# Altium PCB AATB-V2.1.PcbDoc (part 3 of 5)
Units mm, origin at the board's own origin, x right, y up, seen from the top; angles counter-clockwise.
Board outline 236 x 177 mm, 2 copper layers (Top Layer, Bottom Layer), stack 1.571 mm thick; 302 components, 313 nets, 1275 pads, 1275 vias.
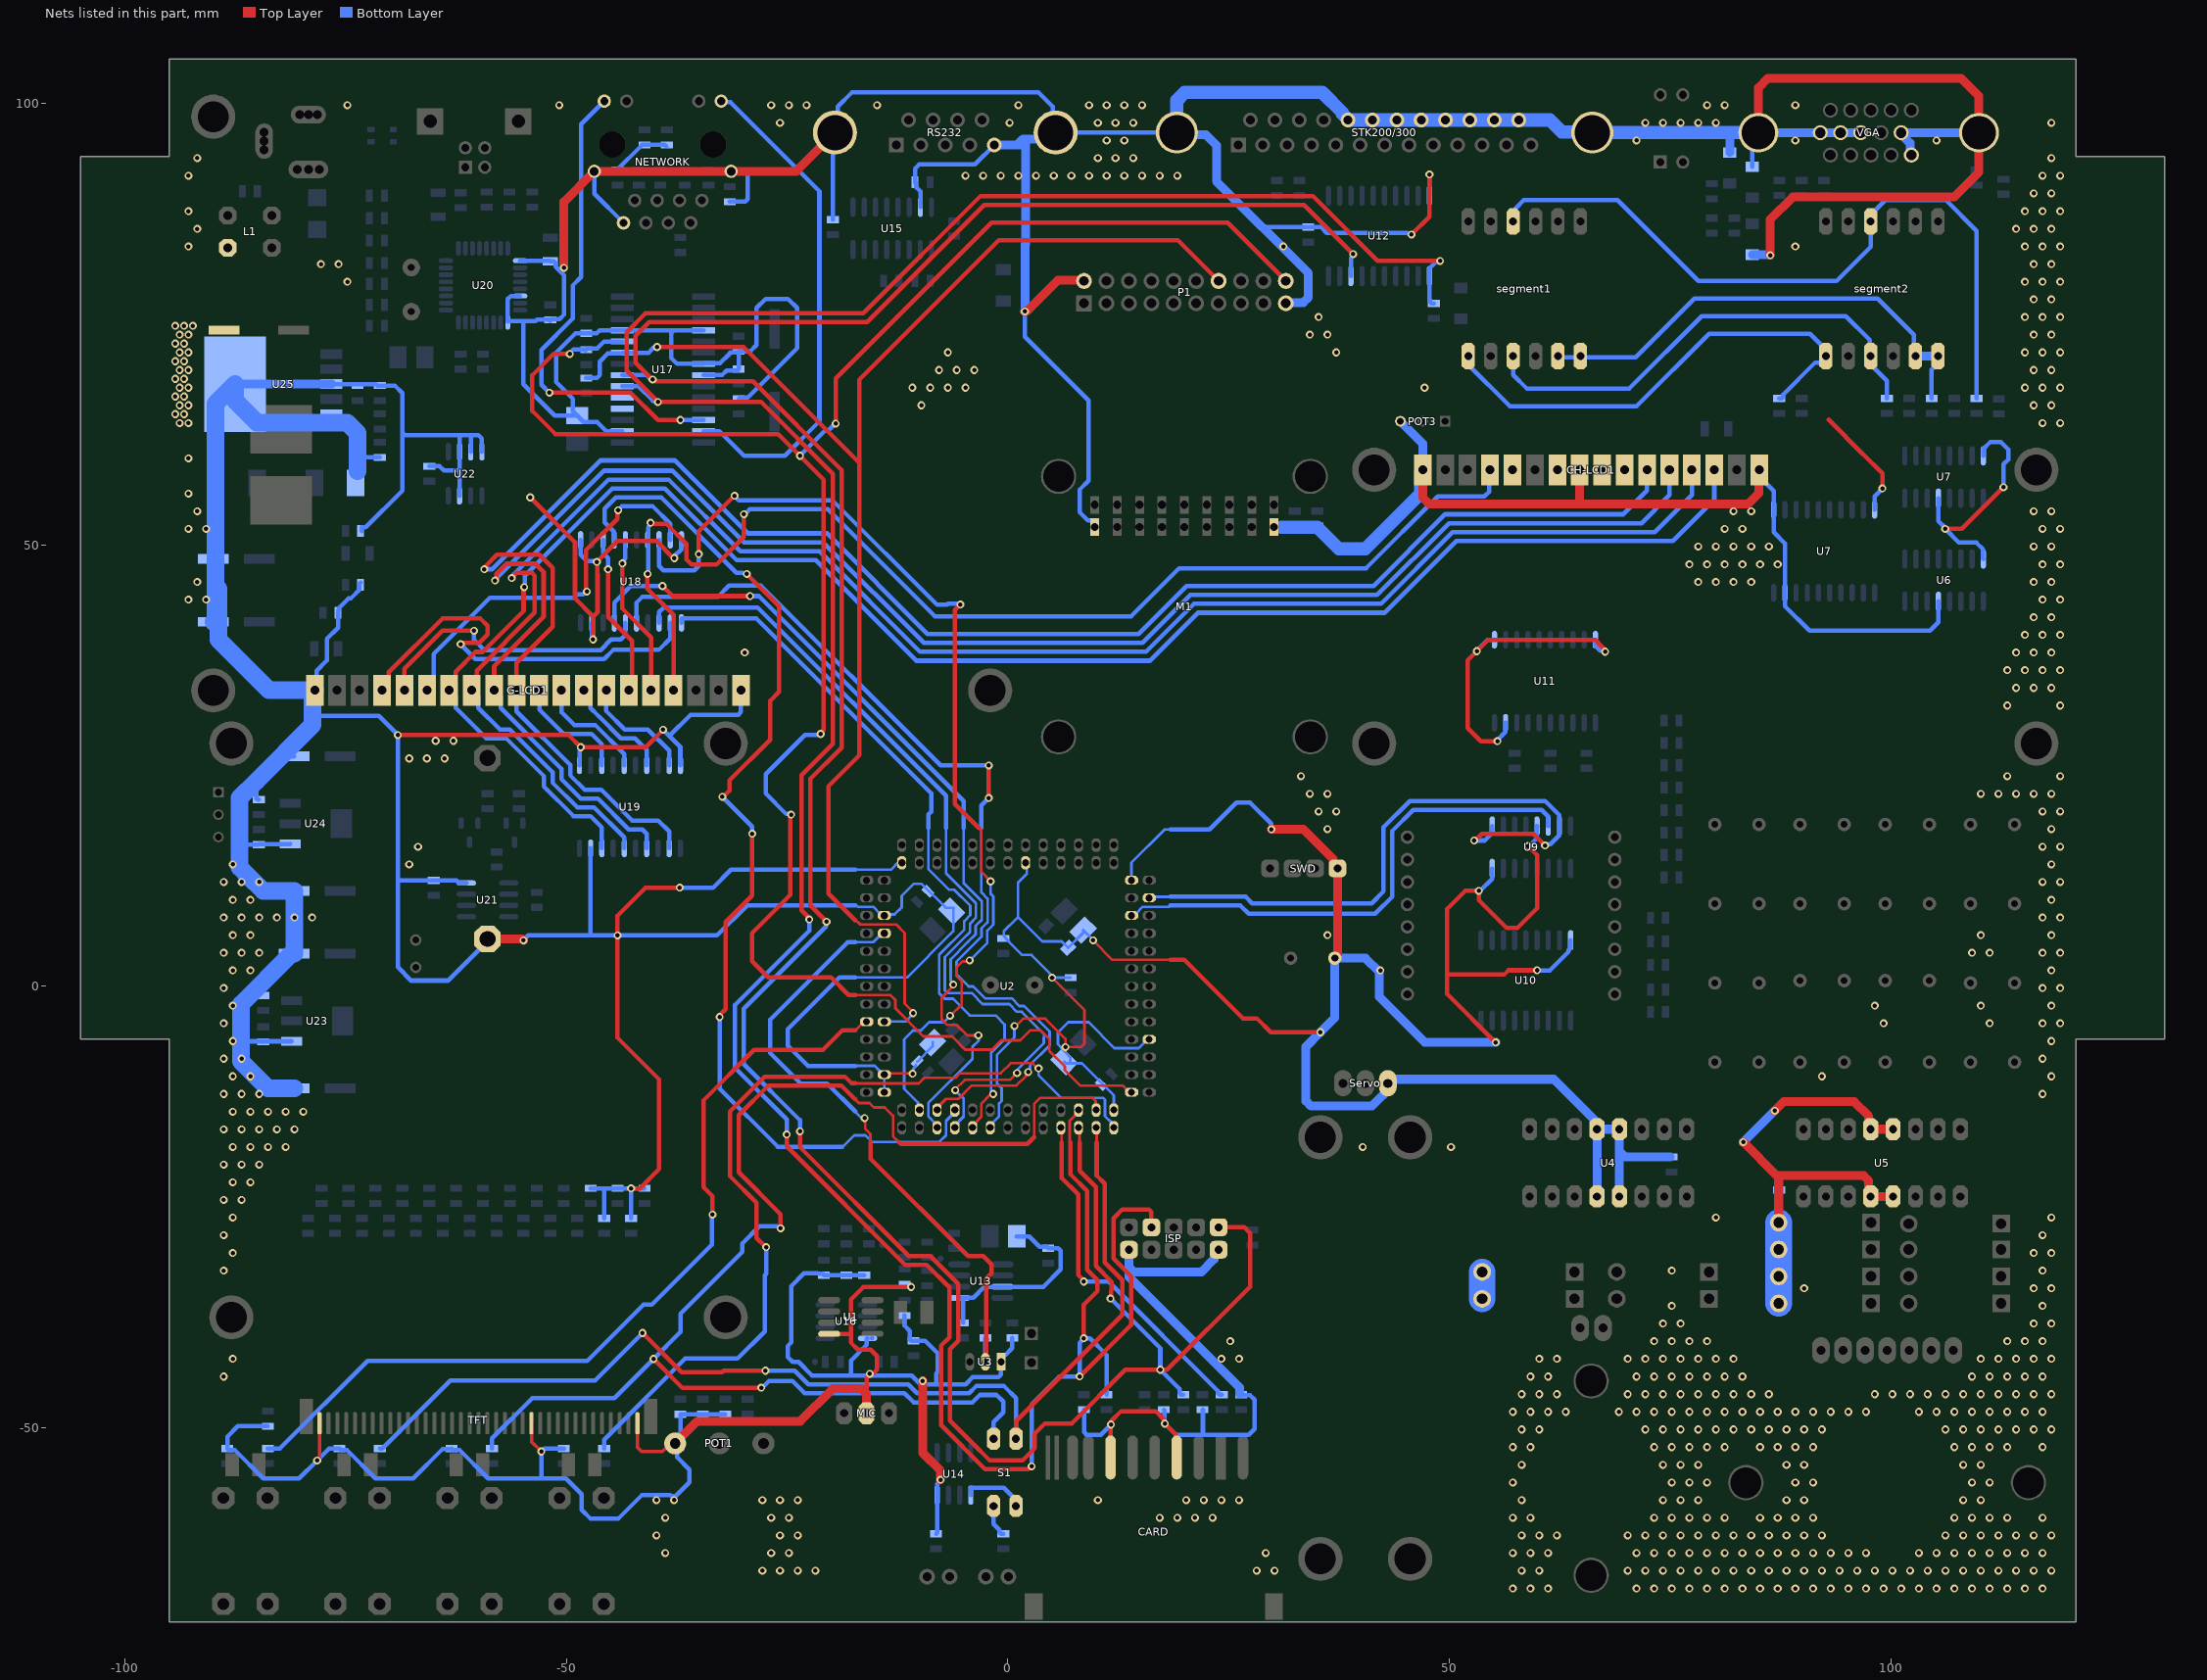
[diagram p3: the nets of this part, all layers, seen from the top]

## Via types
v1: diameter 0.9, hole 0.5, Top Layer to Bottom Layer, tented both sides, 1275 vias

## Nets (pads, with @x,y where several pads share a name; then routed paths per layer and width w, separated by ;. In a path a pad name is that pad's centre, name@x,y a point inside that pad or via, vN(x,y) a via of type N, cw(c..) or ccw(c..) an arc to the next point about the centre after c; other vN are vias at no path point) (continued)
DM-CLK: U2.47 U9.14 | length 58.1
  Bottom Layer w0.3: U2.47@14.504,8.136 14.504,8.211 15.293,9 18.296,9 18.432,9.136
  Bottom Layer w0.5: 18.432,9.136 26.344,9.136 27.271,8.209 41.597,8.209 43.561,10.173 43.561,17.614 45.943,19.996 60.456,19.996 U9.14@61.251,19.2 ; U9.14@61.158,19.106 61.191,19.073 61.191,18.163 U9.14@61.21,18.144
DM-RST: U2.48 U9.9 U9.15 | length 72.4
  Top Layer w0.5: v1(52.823,16.514) 52.932,16.514 53.687,17.269 59.534,17.269 v1(60.848,15.955)
  Bottom Layer w0.3: U2.48@16.504,10.136 18.432,10.136
  Bottom Layer w0.5: 18.432,10.136 26.948,10.136 27.69,9.394 41.2,9.394 42.561,10.755 42.561,18.029 45.528,20.996 60.87,20.996 62.461,19.405 U9.15@62.461,18.144 ; v1(52.823,16.514) 54.03,16.514 54.86,17.344 U9.9@54.86,18.144 ; v1(60.848,15.955) 60.956,15.955 61.103,16.103 61.454,16.103 62.461,17.11 62.461,18.125 U9.15@62.48,18.144
DOT: R36.1@99.568,66.576 segment1.2 segment2.2 | length 55.6
  Bottom Layer w0.5: segment1.2@57.23,71.901 57.23,69.262 58.776,67.716 70.404,67.716 78.596,75.908 94.912,75.908 97.617,73.203 97.617,70.531 99.564,68.584 R36.1@99.564,66.576
E: R14.2 segment1.0 segment2.0 | length 57
  Bottom Layer w0.5: segment1.0@51.65,72.348 52.15,71.848 52.15,70.41 56.844,65.716 71.233,65.716 79.425,73.908 90.872,73.908 92.65,72.13 92.65,71.149 92.15,70.649 91.445,70.649 87.797,67.001 87.797,66.726 87.647,66.576 R14.2@87.372,66.576
ETH-CS: P1.14 R70.1 U2.93 U17.9 | length 171.2
  Top Layer w0.3: -17.276,7.461 -17.168,7.461 -16.707,7 -12.653,7 -11.684,6.031 -11.684,-1.952 -10.729,-2.907 v1(-10.729,-3.048)
  Top Layer w0.5: v1(-39.735,72.411) -29.936,72.411 -16.816,59.291 ; -17.276,7.461 -20.324,10.509 -20.324,22.667 -16.816,26.175 -16.816,59.291 ; P1.14@23.872,79.892 19.268,84.496 -1.029,84.496 -16.816,68.709 -16.816,59.291
  Bottom Layer w0.3: U2.93@-14,-4 -11.584,-4 -10.729,-3.145 v1(-10.729,-3.048)
  Bottom Layer w0.5: R70.1@-47.756,68.892 -46.564,68.892 -46.232,69.224 -46.232,70.748 -45.316,71.664 -43.792,71.664 U17.9@-43.692,71.764 -40.684,71.764 -40.114,72.334 -39.812,72.334 v1(-39.735,72.411)
ETH-RST: P1.20 R71.1 U2.27 U17.10 | length 238
  Top Layer w0.3: -17.276,-1 -13.293,-1 -12.75,-1.543 -12.75,-2.49 -9.557,-5.683 -6.315,-5.683 -4.834,-7.164 -1.8,-7.164 -0.747,-6.111 1.41,-6.111 2.553,-4.968 3.698,-4.968 4.699,-5.969 4.699,-7.315 6.448,-9.064 6.448,-9.488 8.196,-11.237 12.987,-11.237 13.75,-12 U2.27@14,-12
  Top Layer w0.5: v1(-49.631,71.607) -49.677,71.653 -51.423,71.653 -53.852,69.224 -53.852,65.16 -51.248,62.556 -26.021,62.556 v1(-23.556,60.091) ; v1(-24.556,19.44) -24.633,19.363 -24.633,19.195 -24.666,19.162 -24.666,10.317 -28.96,6.023 -28.96,2.832 -27.121,0.994 -20.014,0.994 -18.021,-1 -17.276,-1 ; v1@-23.501,60.091 -23.501,60.036 -20.864,57.399 -20.864,29.029 -21.201,28.692 v1(-21.201,28.584) ; v1(-19.488,63.741) -19.488,68.865 -1.857,86.496 24.888,86.496 P1.20@31.492,79.892
  Bottom Layer w0.5: v1(-49.631,71.607) -49.631,71.712 -49.238,72.106 -47.954,72.106 -47.855,72.007 R71.1@-47.756,72.106 -47.606,72.256 -46.52,72.256 -45.742,73.034 U17.10@-43.692,73.034 ; v1(-24.556,19.44) -24.633,19.517 -25.105,19.517 -27.432,21.844 -27.432,24.016 -22.975,28.473 -21.312,28.473 v1(-21.201,28.584) ; v1(-23.556,60.091) -20.722,62.925 -20.369,62.925 -19.552,63.741 v1(-19.488,63.741)
ETH_INT: U17.4
ETH_WOL: U17.5
F: R3.2 segment1.9 segment2.9 | length 84.5
  Bottom Layer w0.5: segment1.9@57.501,86.37 57.501,88.121 58.432,89.052 69.068,89.052 78.212,79.908 93.882,79.908 97.73,83.756 segment2.9@97.73,86.62 97.73,87.37 99.396,89.036 106.256,89.036 109.724,85.568 R3.2@109.724,66.576
G: R6.2 segment1.4 segment1.5 segment2.4 segment2.5 | length 54.4
  Bottom Layer w0.5: segment1.4@62.83,71.256 71.116,71.256 77.768,77.908 98.5,77.908 102.612,73.796 102.612,71.578 segment2.4@102.81,71.38 ; R6.2@104.644,66.576 104.644,69.837 105.35,70.543 segment2.5@105.35,71.38
  Bottom Layer w1: segment2.4@102.81,71.38 segment2.5@105.35,71.38
GLCD-CSA: U2.9 U18.11 | length 85.9
  Top Layer w0.3: U2.9@-4,-16 -4,-15.75 -3,-14.75 -3,-13.293 -2.014,-12.307 -1.766,-12.307 v1(-1.651,-12.192)
  Bottom Layer w0.3: -9,17.916 -9,15.293 -9,14.405 -9,13.867 -9,13.293 -6.629,10.922 -6.055,10.922 -4.25,9.117 -4.25,8.058 -4.933,7.375 -4.933,6.43 -7.777,3.586 -7.777,-0.792 -7.162,-1.407 -6.213,-1.407 -4.306,-3.314 -1.385,-3.314 -0.369,-4.33 -0.369,-5.983 -1.89,-7.504 -1.89,-11.953 v1(-1.651,-12.192)
  Bottom Layer w0.5: U18.11@-36.961,41.156 -36.961,41.61 -36.915,41.656 -28.495,41.656 -8.679,21.841 -8.679,19.779 -9,19.458 -9,17.916
GLCD-CSA-TTL: G-LCD1.15 U18.9 | length 44.2
  Top Layer w0.5: v1(-47.686,44.704) -47.756,44.774 -47.756,49.412 -44.217,52.951 -44.217,53.848 v1(-44.14,53.924)
  Bottom Layer w0.5: G-LCD1.15@-65.8,33.54 -65.05,34.29 -65.05,37.633 -58.671,44.012 -49.136,44.012 -48.775,44.373 -48.125,44.373 -47.794,44.704 v1(-47.686,44.704) ; v1(-44.14,53.924) -44.14,53.935 -43.723,54.353 -40.205,54.353 -38.231,52.379 U18.9@-38.231,50.556
GLCD-CSB: U2.8 U18.4 | length 122.5
  Top Layer w0.5: v1(-32.655,-3.486) -32.655,-3.277 -31.96,-2.582 -31.96,7.266 -28.96,10.266 -28.96,17.268 v1(-28.956,17.272) ; v1(-32.336,21.465) -32.228,21.465 -31.54,22.153 -31.54,23.316 -26.924,27.932 -26.924,32.33 -25.912,33.342 -25.912,43.047 v1(-29.566,46.701)
  Bottom Layer w0.3: -18.785,-18.168 -18.676,-18.168 -17.399,-16.891 -17.276,-16.891 -16.129,-16.891 -15.402,-17.618 -7.747,-17.618 -7,-16.871 -7,-15.25 -6,-14.25 U2.8@-6,-14
  Bottom Layer w0.5: U18.4@-44.581,50.556 -44.6,50.575 -44.6,51.49 -45.657,52.547 -45.657,54.105 -44.39,55.372 -39.256,55.372 -30.732,46.848 -29.996,46.848 -29.925,46.778 -29.642,46.778 v1(-29.566,46.701) ; v1(-32.655,-3.486) -32.655,-11.574 -26.061,-18.168 -18.785,-18.168 ; v1(-32.336,21.465) -28.956,18.085 v1(-28.956,17.272)
GLCD-CSB-TTL: G-LCD1.16 U18.16 | length 32.8
  Top Layer w0.5: G-LCD1.16@-68.34,33.54 -68.34,35.94 -64.012,40.268 v1(-60.456,40.268)
  Bottom Layer w0.5: v1(-60.456,40.268) -60.456,39.252 -59.288,38.084 -46.118,38.084 -44.932,39.27 -43.824,39.27 -43.311,39.783 U18.16@-43.311,41.156
GLCD-EN: U2.5 U18.17 | length 98.8
  Top Layer w0.3: v1(-6.177,0.193) -6.177,0.046 -7.49,-1.267 -7.49,-3.765 -6.871,-4.383 -5.777,-4.383 -4.596,-5.564 v1(-3.332,-5.564)
  Top Layer w0.5: v1(-39.116,45.339) -37.973,44.196 v1(-29.21,44.196)
  Bottom Layer w0.3: U2.5@-8,-16 -8,-15.75 -8.728,-15.022 -8.728,-14.979 -9,-14.707 -9,-13.243 -4,-8.243 -4,-6.857 -3.302,-6.158 v1@-3.302,-5.564 ; v1(-6.177,0.193) -6.177,0.355 -6.473,0.651 -6.473,1.103 -6.477,1.107 -6.477,3.048 -4.508,5.017 -3.633,5.892 -3.633,6.837 -2.95,7.52 -2.95,9.655 -5,11.705 -5,17.916 ; v1(-3.332,-5.564) -3.332,-5.364 v1@-3.302,-5.334
  Bottom Layer w0.5: U18.17@-44.581,41.156 -44.581,43.443 -42.708,45.316 -39.139,45.316 v1(-39.116,45.339) ; v1(-29.21,44.196) -28.206,44.196 -5,20.99 -5,17.916
GLCD-EN-TTL: G-LCD1.6 U18.3 | length 18.5
  Top Layer w0.5: v1(-45.278,47.244) -45.278,41.854 -42.559,39.135 -42.559,33.921 G-LCD1.6@-42.94,33.54
  Bottom Layer w0.5: U18.3@-45.851,50.556 -45.851,49.077 -45.278,48.504 v1(-45.278,47.244)
GLCD-RST: U2.4 U18.8 | length 114.9
  Top Layer w0.3: v1(-6.54,-3.343) -6.518,-3.343 -5.227,-2.052 -5.227,0.586 -5.799,1.158 -5.799,2.135 -5.117,2.818 -4.444,2.818 v1(-4.33,2.933) ; -3.264,17.916 -3,17.652 -3,12.966 -1.95,11.916 v1(-1.95,11.878)
  Top Layer w0.5: v1(-35.006,48.952) -35.006,51.526 -31.024,55.508 -30.992,55.508 v1(-30.952,55.548) ; v1(-5.382,43.246) -6,42.627 -6,20.652 -3.264,17.916
  Bottom Layer w0.3: U2.4@-10,-14 -10.188,-13.812 -10.188,-13.152 -11.745,-11.595 -11.745,-6 -10.762,-5.017 -9.843,-5.017 -8.89,-4.064 -7.239,-4.064 -6.54,-3.365 v1(-6.54,-3.343) ; v1(-4.33,2.933) -2.333,4.929 -2.333,5.354 -2.333,6.298 -1.65,6.981 -1.65,10.194 -1.95,10.494 v1(-1.95,11.878)
  Bottom Layer w0.5: U18.8@-39.501,50.556 -39.501,47.619 -38.992,47.11 -35.515,47.11 -35.006,47.619 v1(-35.006,48.952) ; v1(-30.952,55.548) -30.952,55.513 -30.459,55.02 -19.836,55.02 -8.024,43.208 -6.902,43.208 -6.794,43.316 -5.452,43.316 v1(-5.382,43.246)
GLCD-RST-TTL: G-LCD1.17 U18.12 | length 48.1
  Top Layer w0.5: G-LCD1.17@-70.88,33.54 -70.13,34.29 -70.13,35.564 -64.041,41.653 -59.736,41.653 -58.932,40.849 -58.932,39.833 -59.882,38.883 -61.841,38.883 v1(-61.98,38.744)
  Bottom Layer w0.5: v1(-61.98,38.744) -60.32,37.084 -45.704,37.084 -44.688,38.1 -39.537,38.1 -38.231,39.406 U18.12@-38.231,41.156
GND: BT1.2 C1.2 C2.1 C3.1 C4.1 C5.2 C6.2 C7.1 C8.2 C9.2 C10.2 C11.2 C12.1 C15.2 C18.1 C20.1 C21.1 C22.1 C23.1 C24.1 C25.2 C26.1 C27.1 C28.2 C30.2 C36.1 C37.1 C38.2 C39.2 C40.2 C41.2 C42.1 C43.1 C44.1 C45.2 C46.2 C47.1 C48.1 C49.1 C50.1 CARD.3 CARD.6 CC1.2 CC2.2 CC3.2 CC4.2 CC5.2 CC6.2 CC7.2 CC8.2 CC9.2 CC10.2 CC11.2 CC12.2 CC13.2 CH-LCD1.1 CH-LCD1.5 CH-LCD1.7 CH-LCD1.8 CH-LCD1.9 CH-LCD1.10 CH-LCD1.16 CP1.2 CP2.2 D6.1 D7.1 D10.1 D11.1 D12.1 D13.1 D18.2 D19.2 D20.2 D22.1 D25.1 D27.1 G-LCD1.1 G-LCD1.20 ISP.1 ISP.9 L1.2 L5.1 M1.1 M1.17 MIC.3 NETWORK.8 NETWORK.13 NETWORK.14 P1.2 P1.19 POT1.1 POT3.3 R35.1 R37.1 R40.1 R46.1 R49.1 R50.1 R60.1 R62.2@-41.152,-22.89 R63.1@-41.152,95.298 R65.2 R66.2 R68.2 R69.2 R72.1 R74.1 R94.1 R107.1 R109.1 R115.1 RESET.2 RS232.5 RS232.10 RS232.11 Servo.1 STK200/300.18 STK200/300.19 STK200/300.20 STK200/300.21 STK200/300.22 STK200/300.23 STK200/300.24 STK200/300.25 STK200/300.26 STK200/300.27 SWD.4 TFT.1 TFT.25 TFT.37 U1.4 U2.11 U2.32 U2.62 U2.81 U2.99 U3.1 U4.4 U4.5 U4.12 U4.13 U5.4 U5.5 U5.12 U5.13 U6.8 U6.13 U7.1@86.741,53.976 U7.8@110.486,60.08 U7.10@98.171,53.976 U7.13@105.406,55.28 U7.19 U9.8 U9.13 U10.9 U11.1 U11.10 U11.19 U12.10 U13.1 U13.7 U14.4 U15.15 U16.4 U17.2 U17.11 U17.18 U17.21 U17.22 U18.1 U18.10 U18.19 U19.1 U19.10 U19.19 U20.9 U20.14 U20.17 U21.4 U22.2 U22.3 U22.4 U22.7 U23.1 U24.1 U25.3 U25.5 U25.6 VGA.5 VGA.6 VGA.7 VGA.8 VGA.10 VGA.16 VGA.17 | length 2039.9
  Top Layer w0.3: U2.99@-13.496,-9.864 -10.837,-9.864 v1(-10.795,-9.906) ; v1(0.748,-4.511) 0.91,-4.511 1.753,-3.668 4.236,-3.668 6.527,-5.958 v1(6.527,-6.88) 8.301,-6.88 8.675,-6.506 8.675,-2.69 v1(5.012,0.974) ; v1(9.652,5.207) 11.859,3 18.432,3
  Top Layer w0.4: v1(-78.236,-53.712) -77.952,-53.428 TFT.1@-77.952,-49.5 ; TFT.25@-53.952,-49.5 -53.952,-51.58 v1(-52.836,-52.696) ; TFT.37@-41.952,-49.5 -41.952,-52.231 -41.487,-52.696 -39.12,-52.696 -38.199,-51.775 POT1.1@-37.675,-51.775
  Top Layer w0.5: v1(-69.088,28.448) -49.745,28.448 v1(-48.377,27.08) ; v1(-42.676,-22.89) -41.686,-22.89 -39.484,-20.688 -39.484,-10.554 -44.2,-5.838 v1(-44.2,5.772) -44.2,8.014 -41.038,11.176 v1(-37.16,11.176) ; U1.4@-20.234,-39.361 -17.784,-39.361 ; -16,-46.17 -16,-44.348 -15.643,-43.99 v1(-15.643,-43.882) -15.566,-43.805 -15.178,-43.805 -14.807,-43.434 -14.807,-41.874 -15.533,-41.148 -16.979,-41.148 -17.784,-40.343 -17.784,-39.361 ; v1(-10.958,-34.056) -16.354,-34.056 -17.784,-35.487 -17.784,-39.361 ; CARD.6@11.632,-53.364 v1@11.632,-49.648 ; v1(11.68,-49.648) 11.757,-49.571 11.757,-49.203 12.836,-48.124 16.755,-48.124 17.703,-49.072 17.703,-49.453 v1(17.78,-49.53) 18.998,-50.748 18.998,-53.23 CARD.3@19.132,-53.364 ; 18.432,3 19.987,3 26.612,-3.625 28.194,-3.625 29.776,-5.207 v1(35.393,-5.207) ; v1(45.715,85.144) 47.752,87.181 v1(47.752,91.948) ; v1(55.257,-6.357) 49.78,-0.88 49.78,1.27 ; v1(55.444,27.755) 53.567,27.755 52.086,29.237 52.086,36.922 v1(53.114,37.95) 54.416,39.252 66.544,39.252 66.898,38.898 66.898,38.839 67.662,38.074 v1(67.662,37.899) ; v1(58.924,15.884) 59.94,14.868 59.94,8.845 57.72,6.626 56.498,6.626 53.336,9.788 v1(53.336,10.804) 51.812,10.804 49.78,8.772 49.78,1.27 ; v1(59.944,1.812) 56.709,1.812 56.265,1.368 49.878,1.368 49.78,1.27 ; 96.857,60.281 99.06,58.077 v1(99.06,56.388) ; v1(106.172,51.816) 108.064,51.816 v1(112.772,56.524)
  Top Layer w0.52: v1(-54.102,55.372) -49.022,50.292 -49.022,43.942 -46.977,41.897 -46.977,41.825 ; v1@-48.368,27.08 -41.011,27.08 v1(-39.039,29.052) ; v1(-46.977,39.284) -46.977,41.825 ; v1(-46.556,48.079) -44.213,50.422 -39.802,50.422 -37.876,48.495 v1(-37.776,48.495) ; v1@-46.499,48.006 -46.488,47.995 -46.488,46.716 -46.476,46.704 -46.476,42.325 -46.977,41.825 ; 92.964,64.173 96.857,60.281
  Top Layer w1: BT1.2@-58.932,5.352 -55.004,5.352 v1(-54.868,5.216) ; v1(-50.296,81.384) -50.296,88.844 NETWORK.14@-46.833,92.307 -23.972,92.307 RS232.10@-19.579,96.7 ; POT1.1@-37.675,-51.775 -35.176,-49.276 -23.508,-49.276 -19.816,-45.584 -16.586,-45.584 -16,-46.17 MIC.3@-16,-48.352 ; v1(-9.652,-44.704) -9.652,-52.832 -7.62,-54.864 v1(-7.62,-55.886) ; v1(1.931,76.447) 1.983,76.499 2.191,76.499 5.695,80.003 7.277,80.003 7.293,79.988 8.536,79.988 P1.2@8.632,79.892 ; v1(29.86,17.78) 33.479,17.78 36.834,14.425 36.834,13.844 SWD.4@37.334,13.344 37.334,3.62 37.04,3.326 RESET.2@37.04,3.184 ; CH-LCD1.1@47,58.5 47,55.362 47.752,54.61 64.77,54.61 ; CH-LCD1.8@64.5,58.5 64.77,58.23 64.77,54.61 ; v1(83.308,-17.644) 87.104,-21.44 87.31,-21.44 ; VGA.17@85.009,96.688 85.009,101.773 86.086,102.85 107.97,102.85 109.999,100.821 VGA.16@109.999,96.688 109.999,92.219 107.188,89.408 88.9,89.408 86.36,86.868 v1(86.36,82.804) ; CH-LCD1.16@85.1,58.5 85.046,58.446 85.046,55.836 83.82,54.61 64.77,54.61 ; v1(86.864,-14.088) 87.88,-13.072 95.876,-13.072 97.512,-14.708 97.512,-15.972 U5.5@97.73,-16.19 U5.4@100.27,-16.19 ; D13.1@87.31,-26.764 87.31,-21.44 ; U5.13@100.27,-23.81 U5.12@97.73,-23.81 97.512,-23.592 97.512,-22.026 96.926,-21.44 87.31,-21.44
  Bottom Layer w0.3: -17.276,-9.008 -16.715,-9.008 -16.707,-9 -15.081,-9 -14.6,-9.481 -14.6,-9.488 -14.088,-10 U2.99@-14,-10 U2.11@-14,-12 ; -17.276,1 -11.431,1 -6.458,5.973 -6.18,6.251 -6.18,8.809 -6.096,8.893 -7.051,8.893 -9.757,11.599 -10.668,11.599 -12.025,10.242 -12.025,8.943 -12.832,8.136 -14.386,8.136 -15.25,9 -16.99,9 -17.166,9.176 -17.276,9.176 ; -17.276,13.208 -13.255,13.208 -12.327,14.136 U2.11@-12,14.136 ; U2.99@-13.805,-9.805 U2.99@-13.746,-9.864 ; v1(-10.795,-9.906) -10.68,-9.791 -10.68,-9.324 -10.447,-9.091 C5.2@-10.447,-8.923 ; C5.2@-10.253,-8.543 -8.507,-6.797 C6.2@-8.507,-6.351 ; U2.11@-2,-16 -2,-15.707 -1,-14.707 -1,-13.275 -0.701,-12.976 -0.701,-11.544 -1.214,-11.031 -1.214,-7.748 0.748,-5.786 v1(0.748,-4.511) ; 1.113,7.717 1.034,7.717 -0.452,6.23 -0.452,5.672 -0.233,5.453 -0.233,5.422 0.139,5.05 1.633,3.556 2.678,3.556 4.799,1.435 4.799,1.348 5.012,1.136 v1(5.012,0.974) ; 1.155,7.837 1.155,11.736 2.154,12.735 U2.62@2.154,13.94 ; 1.245,7.747 3.912,5.08 6.096,5.08 D22.1@6.825,4.351 8.531,6.056 CC2.2@8.531,6.375 9.652,5.254 v1(9.652,5.207) ; v1@5.123,1.105 5.242,0.986 C7.1@7.108,0.986 ; CC7.2@6.375,-8.531 6.569,-8.726 8.372,-8.726 12,-12.354 U2.11@12,-14 ; v1(6.527,-6.88) 6.507,-6.88 CC7.2@6.238,-7.149 ; CC7.2@7.068,-8.518 7.085,-8.059 6.991,-7.958 6.953,-7.917 CC7.2@6.238,-7.149 ; U2.11@14,12 14,14 17.764,17.764 18.432,17.764 ; U2.32@15.964,-5.864 14.828,-7 12.08,-7 9.157,-4.077 6.841,-4.077 5.677,-5.241 5.677,-6.545 CC7.2@6.238,-7.149
  Bottom Layer w0.5: CC13.2@-83.824,-49.824 -87.219,-49.824 -88.396,-51.001 R115.1@-88.396,-52.354 -88.246,-52.504 -87.572,-52.504 -84.332,-55.744 -80.268,-55.744 v1(-78.236,-53.712) -76.878,-52.354 R109.1@-75.696,-52.354 -75.546,-52.504 -74.872,-52.504 -71.632,-55.744 -67.358,-55.744 -64.05,-52.436 -63.078,-52.436 R94.1@-62.996,-52.354 -62.846,-52.504 -62.11,-52.504 -58.87,-55.744 -52.836,-55.744 ; G-LCD1.20@-78.5,33.54 -78.299,33.741 -78.299,35.747 -77.145,36.901 -77.145,39.347 -75.862,40.63 C42.1@-75.862,42.3 -75.862,42.575 -75.712,42.725 -75.712,42.896 -74.686,43.922 -74.426,43.922 -73.868,44.48 -73.868,44.486 -73.468,44.886 -73.468,45.57 C43.1@-73.318,45.72 ; U25.3@-76.616,68.208 -71.565,68.208 -71.399,68.042 C37.1@-71.124,68.042 -69.434,68.042 -68.584,67.192 -68.584,62.733 ; -73.664,59.572 -73.332,59.904 C36.1@-71.124,59.904 ; C44.1@-73.168,51.547 -73.168,51.987 -72.727,51.987 -68.584,56.13 -68.584,62.733 ; CC12.2@-65.536,58.898 -64.354,58.898 -63.876,58.42 -62.107,58.42 ; U22.7@-62.107,55.548 -62.107,58.42 ; U22.2@-62.107,60.548 -62.107,58.42 ; U22.2@-62.088,60.571 -62.088,61.338 -62.086,61.34 -62.086,62.44 ; U22.3@-60.837,60.548 -60.837,62.3 ; U22.4@-59.567,60.548 -59.567,62.038 -59.969,62.44 -62.086,62.44 ; U20.14@-55.24,78.184 -56.283,78.184 -56.64,77.827 -56.64,75.297 -56.617,75.32 -54.868,75.32 ; U20.9@-55.24,82.184 -55.23,82.174 -51.896,82.174 L5.1@-51.82,82.098 -51.445,82.098 -51.22,81.873 -51.22,81.498 -50.519,80.797 ; v1(-54.868,5.216) -54.312,5.772 -47.244,5.772 ; CC11.2@-51.82,75.336 -51.97,75.486 -53.329,75.486 -53.495,75.32 -54.868,75.32 ; CC11.2@-51.82,75.486 -51.736,75.57 -50.769,75.57 -50.296,76.043 -50.296,80.574 -50.518,80.797 ; R74.1@-50.296,-52.354 -52.494,-52.354 v1(-52.836,-52.696) -52.836,-55.744 ; v1(-50.296,81.384) -50.296,81.236 -50.518,81.014 -50.518,80.797 ; U19.19@-47.249,15.629 -47.249,5.777 -47.244,5.772 ; R69.2@-47.248,-22.89 -45.724,-22.89 ; R68.2@-45.724,-26.28 -45.724,-22.89 ; U17.2@-43.692,62.874 -45.47,62.874 -46.523,63.927 -48.047,63.927 C28.2@-48.772,64.652 ; NETWORK.8@-43.533,86.467 -46.833,89.767 NETWORK.14@-46.833,92.307 -46.774,92.367 -44.358,92.367 -41.427,95.298 R63.1@-41.152,95.298 -38.845,95.298 -38.695,95.148 -38.695,95.139 R60.1@-38.688,95.132 ; R65.2@-42.676,-26.28 v1(-42.676,-22.89) ; R62.2@-41.152,-22.89 v1(-42.676,-22.89) ; -38.1,73.53 -38.1,71.12 -37.474,70.494 U17.21@-34.442,70.494 -34.372,70.564 -32.595,70.564 -31.516,71.643 -31.516,71.662 -31.398,71.78 -30.634,71.78 CC9.2@-30.484,71.93 ; -38.1,73.71 -38.1,74.011 -37.807,74.304 ; POT1.1@-37.436,-52.014 -37.436,-53.364 -36.072,-54.728 -36.072,-56.19 -37.626,-57.744 -38.1,-57.744 -38.234,-57.61 -41.427,-57.61 -44.133,-60.316 -47.248,-60.316 -48.264,-59.3 -48.264,-57.526 -50.046,-55.744 -52.836,-55.744 ; POT1.1@-37.385,-51.775 POT1.1@-37.675,-51.775 -37.675,-51.234 -37.084,-50.643 CC5.2@-37.084,-48.466 CC10.2@-34.545,-48.466 C26.1@-32.008,-48.466 ; v1(-37.16,11.176) -33.387,11.176 -31.355,13.208 -17.276,13.208 ; U17.22@-34.442,69.224 -32.376,69.224 -31.842,69.758 -30.634,69.758 C24.1@-30.484,69.908 CC9.2@-30.484,71.93 ; U17.18@-34.442,74.304 -37.807,74.304 ; C25.2@-31.5,88.86 -29.761,88.86 -29.468,89.153 -29.468,92.016 -29.761,92.309 NETWORK.13@-31.343,92.309 NETWORK.13@-31.483,92.449 ; C23.1@-30.484,66.518 -30.334,66.668 -29.484,66.668 -23.88,72.272 -23.88,76.844 -24.896,77.86 -27.436,77.86 -28.452,76.844 -28.452,72.64 -29.162,71.93 CC9.2@-30.484,71.93 ; C21.1@-19.816,86.838 RS232.10@-19.816,96.463 ; RS232.10@-19.579,96.7 -19.241,97.038 -19.241,99.657 -17.67,101.228 3.502,101.228 5.073,99.657 5.073,97.038 RS232.11@5.411,96.7 STK200/300.26@19.149,96.7 ; -17.276,-9.008 -22.639,-9.008 -24.912,-6.735 -24.912,-4.85 -19.062,1 -17.276,1 ; -17.276,9.176 -29.531,9.176 -32.935,5.772 v1(-44.2,5.772) -47.244,5.772 ; C18.1@-16.26,-32.718 C20.1@-18.292,-32.718 C22.1@-20.832,-32.718 -20.982,-32.568 -21.494,-32.568 -21.55,-32.512 -23.079,-32.512 -24.542,-33.975 -24.542,-40.346 -24.942,-40.746 -24.942,-41.985 -24.381,-42.546 -23.714,-42.546 -22.178,-44.082 -17.78,-44.082 ; U16.4@-15.892,-39.869 -15.959,-39.869 -16.005,-39.915 -16.005,-40.626 -17.78,-42.401 -17.78,-44.082 ; U16.4@-15.384,-39.869 U16.4@-15.365,-39.85 ; R49.1@-11.688,-37.29 -11.688,-38.44 -11.097,-39.031 -11.097,-40.012 -10.947,-40.162 CC8.2@-10.672,-40.162 -9.36,-40.162 -7.944,-41.578 -7.944,-43.677 -8.132,-43.865 -8.132,-45.076 ; U15.15@-9.91,88.248 -9.91,90.036 -10.356,90.482 -10.356,90.918 C15.2@-10.506,91.068 -10.506,92.618 -10.024,93.1 -3.724,93.1 RS232.5@-1.544,95.28 ; R46.1@-8.132,-62.006 -8.024,-61.898 -8.024,-58.166 -7.986,-58.128 -7.986,-56.36 -7.62,-55.994 v1(-7.62,-55.886) ; C12.1@-5.084,-38.13 -5.084,-35.389 -5.176,-35.297 U13.1@-5.502,-35.297 -5.464,-35.259 -3.903,-35.259 -2.671,-34.027 U13.7@-0.602,-34.027 4.037,-34.027 5.993,-32.071 5.993,-29.953 5.7,-29.66 C8.2@4.568,-29.66 4.418,-29.51 3.602,-29.51 2.445,-28.353 1.054,-28.353 C9.2@1.013,-28.312 ; C10.2@0.504,-39.83 0.504,-40.98 -0.302,-41.786 -0.524,-41.786 -0.774,-42.036 U3.1@-0.774,-42.536 -0.774,-43.993 -1.067,-44.286 -4.001,-44.286 -4.791,-45.076 -8.132,-45.076 ; v1(1.931,76.447) 1.931,73.582 9.14,66.373 9.14,57.251 8.124,56.235 8.124,53.695 9.069,52.75 9.59,52.75 9.84,52.5 M1.1@9.84,52 ; R40.1@17.678,-47.958 17.729,-48.009 17.729,-49.479 v1(17.78,-49.53) 19.05,-50.8 22.098,-50.8 ; 18.432,17.764 22.844,17.764 25.908,20.828 27.432,20.828 29.821,18.439 29.821,17.819 v1(29.86,17.78) ; R37.1@22.098,-47.924 22.098,-50.8 ; R35.1@26.412,-46.258 26.494,-46.34 27.466,-46.34 27.936,-46.81 27.936,-50.156 27.292,-50.8 22.098,-50.8 ; 28.829,85.988 C4.1@34.032,85.988 35.467,85.988 36.111,85.344 44.27,85.344 44.274,85.34 45.241,85.34 45.361,85.221 45.638,85.221 v1(45.715,85.144) ; 33.758,-8.5 33.758,-8.266 ; U12.10@47.748,89.544 47.75,89.546 47.75,91.946 v1(47.752,91.948) ; v1(53.114,37.95) 53.114,38.014 54.352,39.252 U11.1@55.114,39.252 ; v1@53.469,10.797 53.469,10.829 53.521,10.881 53.553,10.881 54.841,12.169 54.841,13.325 U9.8@54.86,13.344 ; v1(55.444,27.755) 55.444,27.872 56.365,28.793 56.365,29.833 U11.19@56.384,29.852 ; v1(58.924,15.884) 59.001,15.961 59.141,15.961 59.921,16.741 59.921,18.125 U9.13@59.94,18.144 ; v1(59.944,1.812) 59.978,1.778 61.377,1.778 63.53,3.931 63.53,4.119 63.75,4.339 U10.9@63.75,5.216 ; U11.10@66.544,39.252 66.544,38.579 67.11,38.013 67.549,38.013 v1(67.662,37.899) ; VGA.17@83.577,96.675 84.178,96.074 VGA.17@84.396,96.074 ; D20.2@84.324,92.818 84.324,96.002 VGA.17@84.396,96.074 ; VGA.17@85.009,96.688 VGA.17@84.396,96.074 ; CH-LCD1.16@85.1,58.5 85.1,57.75 86.741,56.109 U7.1@86.741,53.976 86.741,51.435 88.011,50.165 U7.19@88.011,44.576 88.011,43.053 90.796,40.268 104.456,40.268 105.406,41.218 U6.13@105.406,43.596 ; VGA.17@86.796,95.708 86.43,96.074 VGA.17@84.396,96.074 ; D13.1@87.31,-26.764 87.341,-26.733 87.341,-23.097 C2.1@87.372,-23.066 ; U7.10@98.171,53.976 98.171,55.499 v1(99.06,56.388) ; U7.13@105.406,55.28 105.406,52.69 106.172,51.924 v1(106.172,51.816) 107.742,50.246 109.698,50.246 110.467,49.477 110.467,48.415 U6.8@110.486,48.396 ; U7.8@110.486,60.08 110.486,60.853 111.254,61.621 112.495,61.621 113.306,60.81 113.306,59.662 112.774,59.13 112.774,56.526 v1(112.772,56.524) ; -68.584,62.733 -68.291,62.44 -62.086,62.44 ; -54.868,75.32 -54.868,68.208 -51.312,64.652 C28.2@-48.772,64.652 ; C28.2@-48.772,64.652 -49.276,65.156 -49.276,66.548 -51.173,68.445 -51.173,71.763 -48.974,73.962 R72.1@-47.756,73.962 -46.574,73.962 -46.232,74.304 U17.11@-43.692,74.304 -37.807,74.304 ; -45.724,-22.89 R66.2@-44.2,-22.89 v1(-42.676,-22.89) ; -17.78,-44.082 -10.87,-44.082 -9.876,-45.076 -8.132,-45.076